# Altium PCB kondratchenko_telemetry_board.PcbDoc (part 2 of 2)
Units mm, origin at the board's own origin, x right, y up, seen from the top; angles counter-clockwise.
Board outline 123 x 137.5 mm, 4 copper layers (Top Layer, Signal Layer 1, Signal Layer 2, Bottom Layer), stack 1.522 mm thick; 68 components, 63 nets, 335 pads, 1579 vias.
Unrouted connection lines stored in the file: 3.
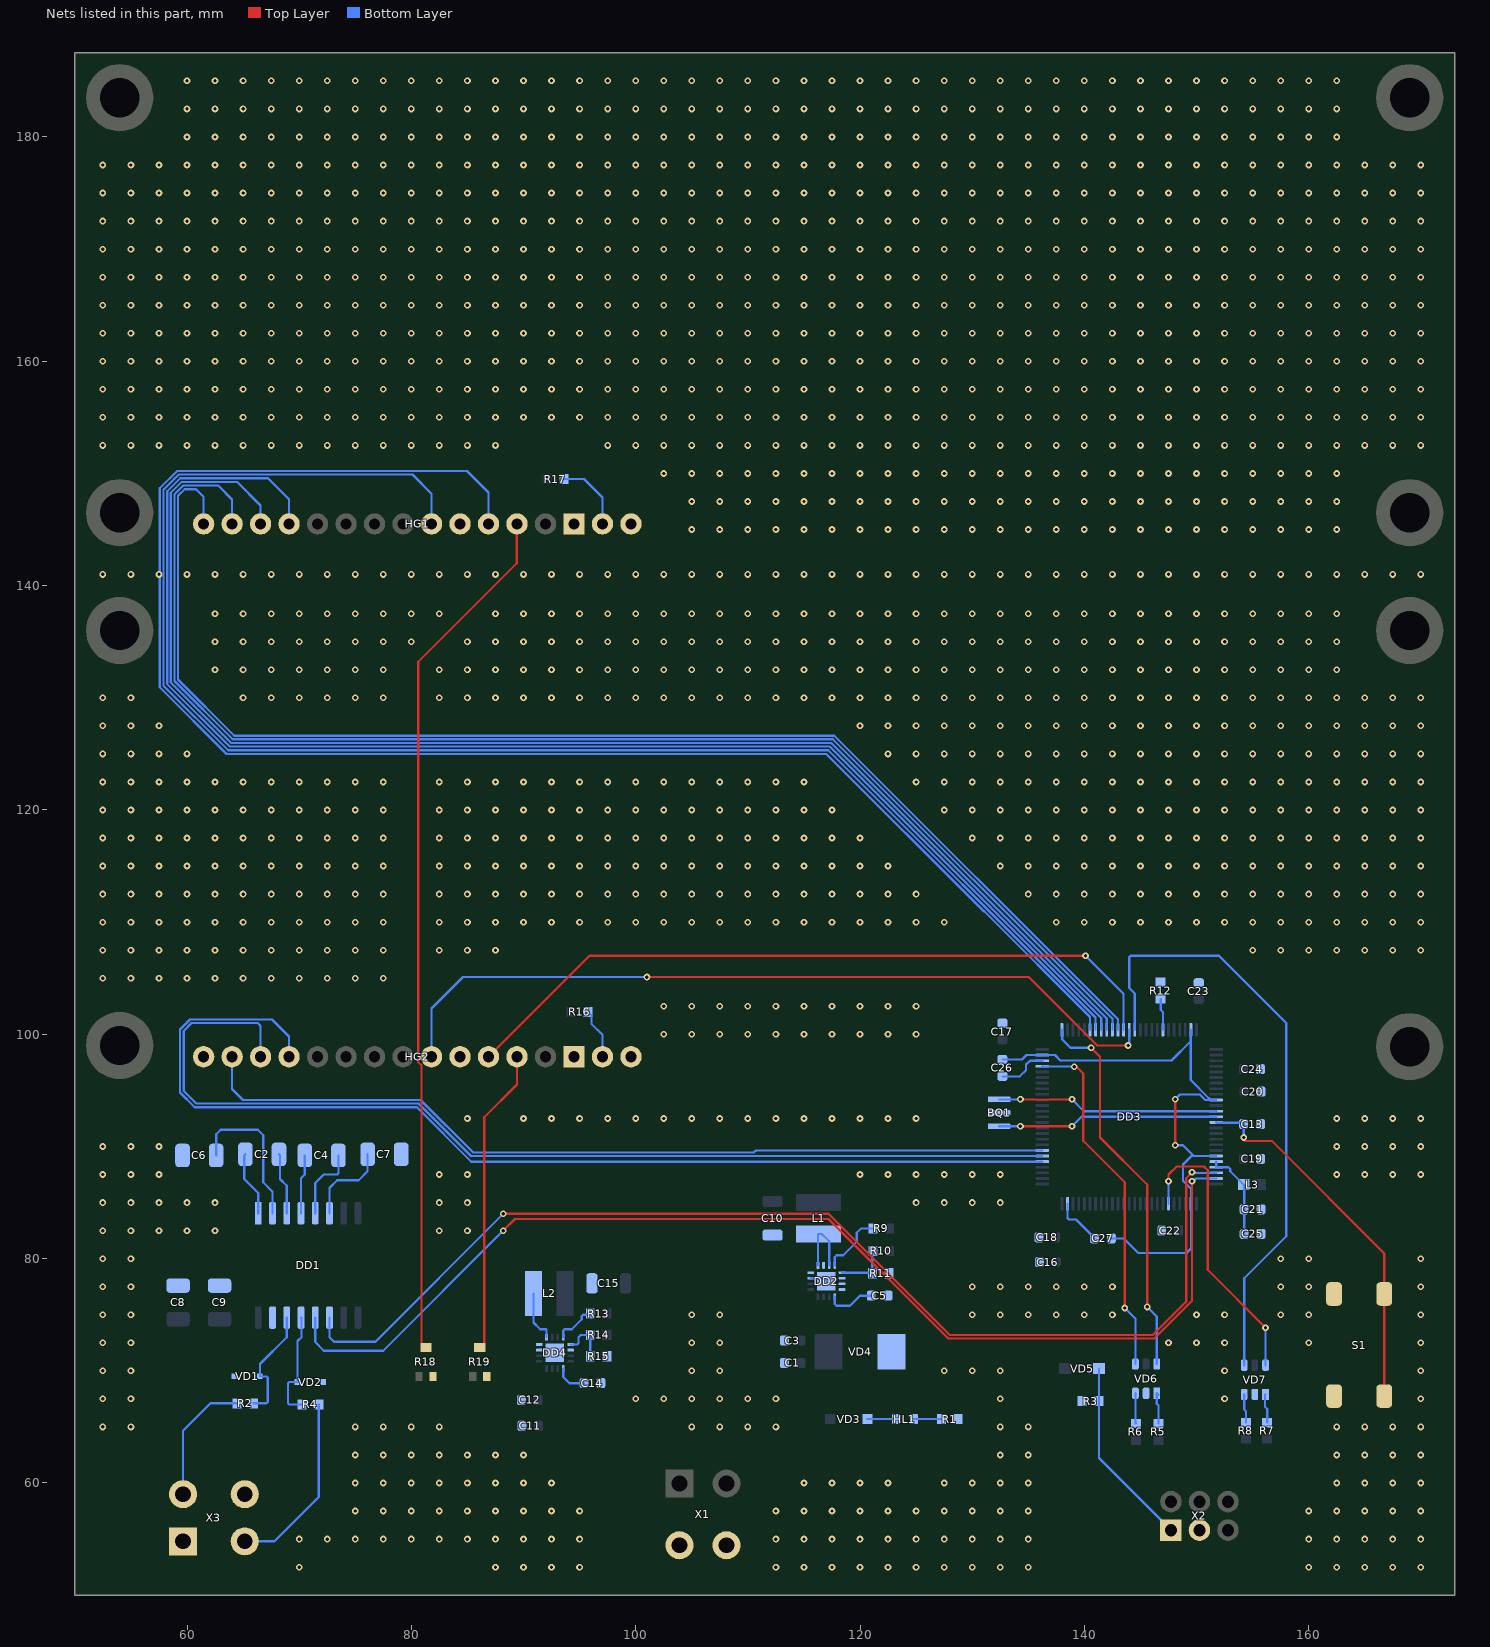
[diagram p4: the nets of this part, all layers, seen from the top]

## Via types
v1: diameter 0.6, hole 0.3, Top Layer to Bottom Layer, tented both sides, 1579 vias

## Nets (pads, with @x,y where several pads share a name; then routed paths per layer and width w, separated by ;. In a path a pad name is that pad's centre, name@x,y a point inside that pad or via, vN(x,y) a via of type N, cw(c..) or ccw(c..) an arc to the next point about the centre after c; other vN are vias at no path point) (continued)
GND: BQ1.2 C1.2 C3.2 C5.2 C6.2 C7.2 C8.2 C9.2 C10.2 C11.2 C12.2 C13.1 C14.2 C15.1 C16.2 C17.2 C18.2 C19.2 C20.2 C21.2 C22.2 C23.2 C24.2 C25.2 DD1.15 DD2.0 DD2.6 DD2.7 DD2.8 DD2.15 DD2.16 DD4.0 DD4.6 DD4.15 DD4.16 HG1.1 HG1.5 HG1.16 HG2.1 HG2.5 HG2.16 R1.1 R3.2 R11.1 R12.1 R15.1 R18.3 R19.3 S1.2 VD1.2 VD2.2 VD4.1 VD6.2 VD7.2 X1.3 X1.4 X2.3 X3.1 X3.4 | length 1.5
  Bottom Layer w0.2: DD2.15@115.6,78.25 116.75,78.25 DD2.0@117,78
  other v1: 70,52.5 87.5,52.5 90,52.5 92.5,52.5 95,52.5 112.5,52.5 115,52.5 117.5,52.5 120,52.5 122.5,52.5 125,52.5 127.5,52.5 130,52.5 132.5,52.5 135,52.5 160,52.5 162.5,52.5 165,52.5 167.5,52.5 170,52.5 70,55 72.5,55 75,55 77.5,55 80,55 82.5,55 85,55 87.5,55 90,55 92.5,55 95,55 112.5,55 115,55 117.5,55 120,55 122.5,55 125,55 127.5,55 130,55 132.5,55 135,55 160,55 162.5,55 165,55 167.5,55 170,55 75,57.5 77.5,57.5 80,57.5 82.5,57.5 85,57.5 87.5,57.5 90,57.5 92.5,57.5 95,57.5 112.5,57.5 115,57.5 117.5,57.5 120,57.5 122.5,57.5 125,57.5 127.5,57.5 130,57.5 132.5,57.5 135,57.5 160,57.5 162.5,57.5 165,57.5 167.5,57.5 170,57.5 75,60 77.5,60 80,60 82.5,60 85,60 87.5,60 90,60 92.5,60 115,60 117.5,60 120,60 122.5,60 127.5,60 130,60 132.5,60 135,60 162.5,60 165,60 167.5,60 170,60 75,62.5 77.5,62.5 80,62.5 82.5,62.5 85,62.5 87.5,62.5 90,62.5 132.5,62.5 135,62.5 162.5,62.5 165,62.5 167.5,62.5 170,62.5 52.5,65 55,65 75,65 77.5,65 80,65 82.5,65 105,65 107.5,65 110,65 112.5,65 132.5,65 135,65 162.5,65 165,65 167.5,65 170,65 52.5,67.5 55,67.5 100,67.5 102.5,67.5 105,67.5 107.5,67.5 110,67.5 112.5,67.5 132.5,67.5 152.5,67.5 170,67.5 52.5,70 55,70 105,70 107.5,70 127.5,70 130,70 132.5,70 152.5,70 170,70 52.5,72.5 55,72.5 105,72.5 107.5,72.5 147.5,72.5 150,72.5 152.5,72.5 160,72.5 170,72.5 52.5,75 55,75 105,75 107.5,75 130,75 132.5,75 135,75 137.5,75 140,75 142.5,75 150,75 152.5,75 157.5,75 160,75 170,75 52.5,77.5 55,77.5 130,77.5 132.5,77.5 135,77.5 137.5,77.5 140,77.5 142.5,77.5 157.5,77.5 160,77.5 170,77.5 52.5,80 55,80 157.5,80 160,80 170,80 52.5,82.5 55,82.5 57.5,82.5 60,82.5 62.5,82.5 82.5,82.5 85,82.5 52.5,85 55,85 57.5,85 60,85 62.5,85 82.5,85 85,85 125,85 127.5,85 130,85 132.5,85 52.5,87.5 55,87.5 57.5,87.5 82.5,87.5 85,87.5 120,87.5 122.5,87.5 125,87.5 127.5,87.5 130,87.5 132.5,87.5 162.5,87.5 165,87.5 167.5,87.5 170,87.5 52.5,90 55,90 57.5,90 162.5,90 165,90 167.5,90 170,90 85,92.5 90,92.5 92.5,92.5 95,92.5 97.5,92.5 100,92.5 102.5,92.5 105,92.5 107.5,92.5 110,92.5 112.5,92.5 115,92.5 117.5,92.5 120,92.5 122.5,92.5 125,92.5 162.5,92.5 165,92.5 167.5,92.5 170,92.5 102.5,100 105,100 107.5,100 110,100 112.5,100 115,100 117.5,100 120,100 122.5,100 125,100 102.5,102.5 105,102.5 107.5,102.5 110,102.5 112.5,102.5 115,102.5 117.5,102.5 120,102.5 122.5,102.5 125,102.5 52.5,105 55,105 57.5,105 60,105 62.5,105 65,105 67.5,105 70,105 72.5,105 75,105 77.5,105 52.5,107.5 55,107.5 57.5,107.5 60,107.5 62.5,107.5 65,107.5 67.5,107.5 70,107.5 72.5,107.5 75,107.5 77.5,107.5 82.5,107.5 85,107.5 87.5,107.5 155,107.5 157.5,107.5 160,107.5 162.5,107.5 165,107.5 167.5,107.5 170,107.5 52.5,110 55,110 57.5,110 60,110 62.5,110 65,110 67.5,110 70,110 72.5,110 75,110 77.5,110 82.5,110 85,110 87.5,110 90,110 92.5,110 95,110 97.5,110 100,110 102.5,110 105,110 107.5,110 110,110 112.5,110 115,110 117.5,110 120,110 122.5,110 125,110 127.5,110 137.5,110 140,110 142.5,110 145,110 147.5,110 150,110 152.5,110 155,110 157.5,110 160,110 162.5,110 165,110 167.5,110 170,110 52.5,112.5 55,112.5 57.5,112.5 60,112.5 62.5,112.5 65,112.5 67.5,112.5 70,112.5 72.5,112.5 75,112.5 77.5,112.5 82.5,112.5 85,112.5 87.5,112.5 90,112.5 92.5,112.5 95,112.5 97.5,112.5 100,112.5 102.5,112.5 105,112.5 107.5,112.5 110,112.5 112.5,112.5 115,112.5 117.5,112.5 120,112.5 122.5,112.5 125,112.5 135,112.5 137.5,112.5 140,112.5 142.5,112.5 145,112.5 147.5,112.5 150,112.5 152.5,112.5 155,112.5 157.5,112.5 160,112.5 162.5,112.5 165,112.5 167.5,112.5 170,112.5 52.5,115 55,115 57.5,115 60,115 62.5,115 65,115 67.5,115 70,115 72.5,115 75,115 77.5,115 82.5,115 85,115 87.5,115 90,115 92.5,115 95,115 97.5,115 100,115 102.5,115 105,115 107.5,115 110,115 112.5,115 115,115 117.5,115 120,115 122.5,115 132.5,115 135,115 137.5,115 140,115 142.5,115 145,115 147.5,115 150,115 152.5,115 155,115 157.5,115 160,115 162.5,115 165,115 167.5,115 170,115 52.5,117.5 55,117.5 57.5,117.5 60,117.5 62.5,117.5 65,117.5 67.5,117.5 70,117.5 72.5,117.5 75,117.5 77.5,117.5 82.5,117.5 85,117.5 87.5,117.5 90,117.5 92.5,117.5 95,117.5 97.5,117.5 100,117.5 102.5,117.5 105,117.5 107.5,117.5 110,117.5 112.5,117.5 115,117.5 117.5,117.5 120,117.5 130,117.5 132.5,117.5 135,117.5 137.5,117.5 140,117.5 142.5,117.5 145,117.5 147.5,117.5 150,117.5 152.5,117.5 155,117.5 157.5,117.5 160,117.5 162.5,117.5 165,117.5 167.5,117.5 170,117.5 52.5,120 55,120 57.5,120 60,120 62.5,120 65,120 67.5,120 70,120 72.5,120 75,120 77.5,120 82.5,120 85,120 87.5,120 90,120 92.5,120 95,120 97.5,120 100,120 102.5,120 105,120 107.5,120 110,120 112.5,120 115,120 117.5,120 127.5,120 130,120 132.5,120 135,120 137.5,120 140,120 142.5,120 145,120 147.5,120 150,120 152.5,120 155,120 157.5,120 160,120 162.5,120 165,120 167.5,120 170,120 52.5,122.5 55,122.5 57.5,122.5 60,122.5 62.5,122.5 65,122.5 67.5,122.5 70,122.5 72.5,122.5 75,122.5 77.5,122.5 82.5,122.5 85,122.5 87.5,122.5 90,122.5 92.5,122.5 95,122.5 97.5,122.5 100,122.5 102.5,122.5 105,122.5 107.5,122.5 110,122.5 112.5,122.5 115,122.5 125,122.5 127.5,122.5 130,122.5 132.5,122.5 135,122.5 137.5,122.5 140,122.5 142.5,122.5 145,122.5 147.5,122.5 150,122.5 152.5,122.5 155,122.5 157.5,122.5 160,122.5 162.5,122.5 165,122.5 167.5,122.5 170,122.5 52.5,125 55,125 57.5,125 60,125 122.5,125 125,125 127.5,125 130,125 132.5,125 135,125 137.5,125 140,125 142.5,125 145,125 147.5,125 150,125 152.5,125 155,125 157.5,125 160,125 162.5,125 165,125 167.5,125 170,125 52.5,127.5 55,127.5 57.5,127.5 120,127.5 122.5,127.5 125,127.5 127.5,127.5 130,127.5 132.5,127.5 135,127.5 137.5,127.5 140,127.5 142.5,127.5 145,127.5 147.5,127.5 150,127.5 152.5,127.5 155,127.5 157.5,127.5 160,127.5 162.5,127.5 165,127.5 167.5,127.5 170,127.5 52.5,130 55,130 65,130 67.5,130 70,130 72.5,130 75,130 77.5,130 82.5,130 85,130 87.5,130 90,130 92.5,130 95,130 97.5,130 100,130 102.5,130 105,130 107.5,130 110,130 112.5,130 115,130 117.5,130 120,130 122.5,130 125,130 127.5,130 130,130 132.5,130 135,130 137.5,130 140,130 142.5,130 145,130 147.5,130 150,130 152.5,130 155,130 157.5,130 160,130 162.5,130 165,130 167.5,130 170,130 62.5,132.5 65,132.5 67.5,132.5 70,132.5 72.5,132.5 75,132.5 77.5,132.5 82.5,132.5 85,132.5 87.5,132.5 90,132.5 92.5,132.5 95,132.5 97.5,132.5 100,132.5 102.5,132.5 105,132.5 107.5,132.5 110,132.5 112.5,132.5 115,132.5 117.5,132.5 120,132.5 122.5,132.5 125,132.5 127.5,132.5 130,132.5 132.5,132.5 135,132.5 137.5,132.5 140,132.5 142.5,132.5 145,132.5 147.5,132.5 150,132.5 152.5,132.5 155,132.5 157.5,132.5 160,132.5 162.5,132.5 62.5,135 65,135 67.5,135 70,135 72.5,135 75,135 77.5,135 80,135 85,135 87.5,135 90,135 92.5,135 95,135 97.5,135 100,135 102.5,135 105,135 107.5,135 110,135 112.5,135 115,135 117.5,135 120,135 122.5,135 125,135 127.5,135 130,135 132.5,135 135,135 137.5,135 140,135 142.5,135 145,135 147.5,135 150,135 152.5,135 155,135 157.5,135 160,135 162.5,135 62.5,137.5 65,137.5 67.5,137.5 70,137.5 72.5,137.5 75,137.5 77.5,137.5 80,137.5 82.5,137.5 87.5,137.5 90,137.5 92.5,137.5 95,137.5 97.5,137.5 100,137.5 102.5,137.5 105,137.5 107.5,137.5 110,137.5 112.5,137.5 115,137.5 117.5,137.5 120,137.5 122.5,137.5 125,137.5 127.5,137.5 130,137.5 132.5,137.5 135,137.5 137.5,137.5 140,137.5 142.5,137.5 145,137.5 147.5,137.5 150,137.5 152.5,137.5 155,137.5 157.5,137.5 160,137.5 162.5,137.5 52.5,141 55,141 57.5,141 60,141 62.5,141 65,141 67.5,141 70,141 72.5,141 75,141 77.5,141 80,141 82.5,141 85,141 87.5,141 90,141 92.5,141 95,141 97.5,141 100,141 102.5,141 105,141 107.5,141 110,141 112.5,141 115,141 117.5,141 120,141 122.5,141 125,141 127.5,141 130,141 132.5,141 135,141 137.5,141 140,141 142.5,141 145,141 147.5,141 150,141 152.5,141 155,141 157.5,141 160,141 162.5,141 165,141 167.5,141 170,141 105,145 107.5,145 110,145 112.5,145 115,145 117.5,145 120,145 122.5,145 125,145 127.5,145 130,145 132.5,145 135,145 137.5,145 140,145 142.5,145 145,145 147.5,145 150,145 152.5,145 155,145 157.5,145 160,145 162.5,145 105,147.5 107.5,147.5 110,147.5 112.5,147.5 115,147.5 117.5,147.5 120,147.5 122.5,147.5 125,147.5 127.5,147.5 130,147.5 132.5,147.5 135,147.5 137.5,147.5 140,147.5 142.5,147.5 145,147.5 147.5,147.5 150,147.5 152.5,147.5 155,147.5 157.5,147.5 160,147.5 162.5,147.5 102.5,150 105,150 107.5,150 110,150 112.5,150 115,150 117.5,150 120,150 122.5,150 125,150 127.5,150 130,150 132.5,150 135,150 137.5,150 140,150 142.5,150 145,150 147.5,150 150,150 152.5,150 155,150 157.5,150 160,150 162.5,150 52.5,152.5 55,152.5 57.5,152.5 60,152.5 62.5,152.5 65,152.5 67.5,152.5 70,152.5 72.5,152.5 75,152.5 77.5,152.5 80,152.5 82.5,152.5 85,152.5 87.5,152.5 97.5,152.5 100,152.5 102.5,152.5 105,152.5 107.5,152.5 110,152.5 112.5,152.5 115,152.5 117.5,152.5 120,152.5 122.5,152.5 125,152.5 127.5,152.5 130,152.5 132.5,152.5 135,152.5 137.5,152.5 140,152.5 142.5,152.5 145,152.5 147.5,152.5 150,152.5 152.5,152.5 155,152.5 157.5,152.5 160,152.5 162.5,152.5 165,152.5 167.5,152.5 170,152.5 52.5,155 55,155 57.5,155 60,155 62.5,155 65,155 67.5,155 70,155 72.5,155 75,155 77.5,155 80,155 82.5,155 85,155 87.5,155 90,155 92.5,155 95,155 97.5,155 100,155 102.5,155 105,155 107.5,155 110,155 112.5,155 115,155 117.5,155 120,155 122.5,155 125,155 127.5,155 130,155 132.5,155 135,155 137.5,155 140,155 142.5,155 145,155 147.5,155 150,155 152.5,155 155,155 157.5,155 160,155 162.5,155 165,155 167.5,155 170,155 52.5,157.5 55,157.5 57.5,157.5 60,157.5 62.5,157.5 65,157.5 67.5,157.5 70,157.5 72.5,157.5 75,157.5 77.5,157.5 80,157.5 82.5,157.5 85,157.5 87.5,157.5 90,157.5 92.5,157.5 95,157.5 97.5,157.5 100,157.5 102.5,157.5 105,157.5 107.5,157.5 110,157.5 112.5,157.5 115,157.5 117.5,157.5 120,157.5 122.5,157.5 125,157.5 127.5,157.5 130,157.5 132.5,157.5 135,157.5 137.5,157.5 140,157.5 142.5,157.5 145,157.5 147.5,157.5 150,157.5 152.5,157.5 155,157.5 157.5,157.5 160,157.5 162.5,157.5 165,157.5 167.5,157.5 170,157.5 52.5,160 55,160 57.5,160 60,160 62.5,160 65,160 67.5,160 70,160 72.5,160 75,160 77.5,160 80,160 82.5,160 85,160 87.5,160 90,160 92.5,160 95,160 97.5,160 100,160 102.5,160 105,160 107.5,160 110,160 112.5,160 115,160 117.5,160 120,160 122.5,160 125,160 127.5,160 130,160 132.5,160 135,160 137.5,160 140,160 142.5,160 145,160 147.5,160 150,160 152.5,160 155,160 157.5,160 160,160 162.5,160 165,160 167.5,160 170,160 52.5,162.5 55,162.5 57.5,162.5 60,162.5 62.5,162.5 65,162.5 67.5,162.5 70,162.5 72.5,162.5 75,162.5 77.5,162.5 80,162.5 82.5,162.5 85,162.5 87.5,162.5 90,162.5 92.5,162.5 95,162.5 97.5,162.5 100,162.5 102.5,162.5 105,162.5 107.5,162.5 110,162.5 112.5,162.5 115,162.5 117.5,162.5 120,162.5 122.5,162.5 125,162.5 127.5,162.5 130,162.5 132.5,162.5 135,162.5 137.5,162.5 140,162.5 142.5,162.5 145,162.5 147.5,162.5 150,162.5 152.5,162.5 155,162.5 157.5,162.5 160,162.5 162.5,162.5 165,162.5 167.5,162.5 170,162.5 52.5,165 55,165 57.5,165 60,165 62.5,165 65,165 67.5,165 70,165 72.5,165 75,165 77.5,165 80,165 82.5,165 85,165 87.5,165 90,165 92.5,165 95,165 97.5,165 100,165 102.5,165 105,165 107.5,165 110,165 112.5,165 115,165 117.5,165 120,165 122.5,165 125,165 127.5,165 130,165 132.5,165 135,165 137.5,165 140,165 142.5,165 145,165 147.5,165 150,165 152.5,165 155,165 157.5,165 160,165 162.5,165 165,165 167.5,165 170,165 52.5,167.5 55,167.5 57.5,167.5 60,167.5 62.5,167.5 65,167.5 67.5,167.5 70,167.5 72.5,167.5 75,167.5 77.5,167.5 80,167.5 82.5,167.5 85,167.5 87.5,167.5 90,167.5 92.5,167.5 95,167.5 97.5,167.5 100,167.5 102.5,167.5 105,167.5 107.5,167.5 110,167.5 112.5,167.5 115,167.5 117.5,167.5 120,167.5 122.5,167.5 125,167.5 127.5,167.5 130,167.5 132.5,167.5 135,167.5 137.5,167.5 140,167.5 142.5,167.5 145,167.5 147.5,167.5 150,167.5 152.5,167.5 155,167.5 157.5,167.5 160,167.5 162.5,167.5 165,167.5 167.5,167.5 170,167.5 52.5,170 55,170 57.5,170 60,170 62.5,170 65,170 67.5,170 70,170 72.5,170 75,170 77.5,170 80,170 82.5,170 85,170 87.5,170 90,170 92.5,170 95,170 97.5,170 100,170 102.5,170 105,170 107.5,170 110,170 112.5,170 115,170 117.5,170 120,170 122.5,170 125,170 127.5,170 130,170 132.5,170 135,170 137.5,170 140,170 142.5,170 145,170 147.5,170 150,170 152.5,170 155,170 157.5,170 160,170 162.5,170 165,170 167.5,170 170,170 52.5,172.5 55,172.5 57.5,172.5 60,172.5 62.5,172.5 65,172.5 67.5,172.5 70,172.5 72.5,172.5 75,172.5 77.5,172.5 80,172.5 82.5,172.5 85,172.5 87.5,172.5 90,172.5 92.5,172.5 95,172.5 97.5,172.5 100,172.5 102.5,172.5 105,172.5 107.5,172.5 110,172.5 112.5,172.5 115,172.5 117.5,172.5 120,172.5 122.5,172.5 125,172.5 127.5,172.5 130,172.5 132.5,172.5 135,172.5 137.5,172.5 140,172.5 142.5,172.5 145,172.5 147.5,172.5 150,172.5 152.5,172.5 155,172.5 157.5,172.5 160,172.5 162.5,172.5 165,172.5 167.5,172.5 170,172.5 52.5,175 55,175 57.5,175 60,175 62.5,175 65,175 67.5,175 70,175 72.5,175 75,175 77.5,175 80,175 82.5,175 85,175 87.5,175 90,175 92.5,175 95,175 97.5,175 100,175 102.5,175 105,175 107.5,175 110,175 112.5,175 115,175 117.5,175 120,175 122.5,175 125,175 127.5,175 130,175 132.5,175 135,175 137.5,175 140,175 142.5,175 145,175 147.5,175 150,175 152.5,175 155,175 157.5,175 160,175 162.5,175 165,175 167.5,175 170,175 52.5,177.5 55,177.5 57.5,177.5 60,177.5 62.5,177.5 65,177.5 67.5,177.5 70,177.5 72.5,177.5 75,177.5 77.5,177.5 80,177.5 82.5,177.5 85,177.5 87.5,177.5 90,177.5 92.5,177.5 95,177.5 97.5,177.5 100,177.5 102.5,177.5 105,177.5 107.5,177.5 110,177.5 112.5,177.5 115,177.5 117.5,177.5 120,177.5 122.5,177.5 125,177.5 127.5,177.5 130,177.5 132.5,177.5 135,177.5 137.5,177.5 140,177.5 142.5,177.5 145,177.5 147.5,177.5 150,177.5 152.5,177.5 155,177.5 157.5,177.5 160,177.5 162.5,177.5 165,177.5 167.5,177.5 170,177.5 60,180 62.5,180 65,180 67.5,180 70,180 72.5,180 75,180 77.5,180 80,180 82.5,180 85,180 87.5,180 90,180 92.5,180 95,180 97.5,180 100,180 102.5,180 105,180 107.5,180 110,180 112.5,180 115,180 117.5,180 120,180 122.5,180 125,180 127.5,180 130,180 132.5,180 135,180 137.5,180 140,180 142.5,180 145,180 147.5,180 150,180 152.5,180 155,180 157.5,180 160,180 162.5,180 60,182.5 62.5,182.5 65,182.5 67.5,182.5 70,182.5 72.5,182.5 75,182.5 77.5,182.5 80,182.5 82.5,182.5 85,182.5 87.5,182.5 90,182.5 92.5,182.5 95,182.5 97.5,182.5 100,182.5 102.5,182.5 105,182.5 107.5,182.5 110,182.5 112.5,182.5 115,182.5 117.5,182.5 120,182.5 122.5,182.5 125,182.5 127.5,182.5 130,182.5 132.5,182.5 135,182.5 137.5,182.5 140,182.5 142.5,182.5 145,182.5 147.5,182.5 150,182.5 152.5,182.5 155,182.5 157.5,182.5 160,182.5 162.5,182.5 60,185 62.5,185 65,185 67.5,185 70,185 72.5,185 75,185 77.5,185 80,185 82.5,185 85,185 87.5,185 90,185 92.5,185 95,185 97.5,185 100,185 102.5,185 105,185 107.5,185 110,185 112.5,185 115,185 117.5,185 120,185 122.5,185 125,185 127.5,185 130,185 132.5,185 135,185 137.5,185 140,185 142.5,185 145,185 147.5,185 150,185 152.5,185 155,185 157.5,185 160,185 162.5,185
MCU_nRST: DD3.31 VD7.6 | length 26.1
  Top Layer w0.2: v1(147.5,86.9) 147.5,87.5 148.225,88.225 150.658,88.225 151,87.883 151,79 v1(156.15,73.85)
  Bottom Layer w0.2: DD3.31@147.5,84.9 v1(147.5,86.9) ; VD7.6@156.15,70.5 v1(156.15,73.85)
MCU_SWCLK: DD3.76 VD6.6 | length 34.4
  Top Layer w0.2: v1(140.6,98.8) 141.4,98 141.4,90.8 145.6,86.6 v1(145.6,75.7)
  Bottom Layer w0.2: DD3.76@138,100.4 138.025,100.375 138.025,99.545 138.77,98.8 v1(140.6,98.8) ; v1(145.6,75.7) 146.45,74.85 VD6.6@146.45,70.6
MCU_SWDIO: DD3.72 VD6.4 | length 31.7
  Top Layer w0.2: v1(139.1,97.1) 139.3,97.1 139.9,96.5 139.9,90.5 143.6,86.8 v1(143.6,75.6)
  Bottom Layer w0.2: DD3.72@136.25,97.15 136.275,97.125 139.075,97.125 v1(139.1,97.1) ; v1(143.6,75.6) 144.55,74.65 VD6.4@144.55,70.6
MCU_SWO: DD3.89 VD7.4 | length 55.3
  Bottom Layer w0.2: DD3.89@144.5,100.4 144.5,103.629 144,104.129 144,106.883 144.117,107 152,107 158,101 158,82 154.25,78.25 VD7.4@154.25,70.5
NetBQ1_1: BQ1.1 DD3.13 | length 19.7
  Top Layer w0.2: v1(134.3,91.8) v1(138.9,91.8)
  Bottom Layer w0.2: BQ1.1@132.4,91.8 v1(134.3,91.8) ; v1(138.9,91.8) 139.75,92.65 DD3.13@151.75,92.65
NetBQ1_3: BQ1.3 DD3.12 | length 19.8
  Top Layer w0.2: v1(134.3,94.2) v1(138.9,94.2)
  Bottom Layer w0.2: BQ1.3@132.4,94.2 v1(134.3,94.2) ; v1(138.9,94.2) 139.95,93.15 DD3.12@151.75,93.15
NetC2_1: C2.1 DD1.1 | length 5.8
  Bottom Layer w0.2: C2.1@65.2,89.3 65.1,89.2 65.1,87.1 66.355,85.845 DD1.1@66.355,84.05
NetC2_2: C2.2 DD1.3 | length 5.5
  Bottom Layer w0.2: C2.2@68.2,89.3 68.3,89.2 68.3,87.1 68.895,86.505 DD1.3@68.895,84.05
NetC4_1: C4.1 DD1.4 | length 5.3
  Bottom Layer w0.2: DD1.4@70.165,84.05 70.165,87.165 70.5,87.5 C4.1@70.5,89.2
NetC4_2: C4.2 DD1.5 | length 6.7
  Bottom Layer w0.2: DD1.5@71.435,84.05 71.435,86.735 72.2,87.5 73.383,87.5 73.5,87.617 C4.2@73.5,89.2
NetC5_1: C5.1 DD2.9 | length 4.3
  Bottom Layer w0.2: DD2.9@117.75,76.6 117.75,75.967 117.917,75.8 119.1,75.8 120,76.7 C5.1@121,76.7
NetC6_1: C6.1 DD1.2 | length 13.8
  Bottom Layer w0.2: C6.1@62.6,89.2 62.6,91.1 63,91.5 66.3,91.5 66.8,91 66.8,86.8 67.625,85.975 DD1.2@67.625,84.05
NetC7_1: C7.1 DD1.6 | length 7.8
  Bottom Layer w0.2: DD1.6@72.705,84.05 72.705,86.305 73.4,87 75.3,87 76.1,87.8 C7.1@76.1,89.3
NetC13_2: C13.2 DD3.14 S1.1 | length 33.4
  Top Layer w0.2: v1(154.2,90.8) 154.2,90.617 154.317,90.5 156.7,90.5 166.74,80.46 S1.1@166.74,76.85 S1.1@166.74,67.75
  Bottom Layer w0.2: DD3.14@151.75,92.15 151.775,92.125 154.075,92.125 C13.2@154.2,92 v1(154.2,90.8)
NetC14_1: C14.1 DD4.9 | length 2.8
  Bottom Layer w0.2: DD4.9@93.55,70.2 93.55,69.45 94.1,68.9 C14.1@95.4,68.9
NetC21_1: C21.1 C25.1 DD3.21 DD3.22 L3.2 | length 8.1
  Bottom Layer w0.2: DD3.21@151.75,88.65 DD3.22@151.75,88.15 152.85,88.15 153,88 153,87.8 154.2,86.6 L3.2@154.22,86.6 154.25,86.57 C21.1@154.25,84.4 C25.1@154.25,82.2
NetC26_1: C26.1 DD3.73 | length 4.4
  Bottom Layer w0.2: C26.1@132.7,96.25 134.25,96.25 134.8,96.8 134.8,97.3 135.15,97.65 DD3.73@136.25,97.65
NetC26_2: C26.2 C27.2 DD3.10 DD3.20 DD3.27 DD3.74 DD3.99 | length 53.9
  Top Layer w0.2: v1(148.1,90.1) v1(148.1,94.2)
  Bottom Layer w0.2: C26.2@132.7,97.75 134.45,97.75 134.85,98.15 DD3.74@136.25,98.15 137.384,98.15 137.859,97.675 147.775,97.675 149.475,99.375 ; C27.2@142.4,81.8 143.5,81.8 144.8,80.5 149.1,80.5 149.5,80.9 DD3.27@149.5,84.9 149.5,86.242 148.8,86.942 148.8,88.4 149.55,89.15 149.75,89.15 ; v1(148.1,90.1) 148.8,90.1 149.75,89.15 ; v1(148.1,94.2) 148.525,94.625 150.291,94.625 150.766,94.15 DD3.10@151.275,94.15 ; DD3.99@149.5,100.4 149.475,100.375 149.475,99.375 ; DD3.20@151.75,89.15 149.75,89.15 ; DD3.10@151.75,94.15 DD3.10@151.275,94.15 ; 149.475,99.375 149.475,95.918 151.093,94.3 151.125,94.3 DD3.10@151.275,94.15
NetC27_1: C27.1 DD3.49 | length 4.5
  Bottom Layer w0.2: DD3.49@138.5,84.9 138.5,83.617 138.617,83.5 139.25,83.5 140.9,81.85 C27.1@140.9,81.8
NetDD2_1: DD2.1 DD2.2 DD2.3 L1.1 | length 6.2
  Bottom Layer w0.2: DD2.1@116.25,79.4 116.25,82.15 L1.1@116.3,82.2 116.6,82.2 117.25,81.55 DD2.3@117.25,79.4
NetDD2_4: DD2.4 R9.1 | length 5.7
  Bottom Layer w0.2: DD2.4@117.75,79.4 117.75,80.133 117.917,80.3 118.5,80.3 119.7,81.5 119.7,82.3 120.1,82.7 R9.1@121.15,82.7
NetDD2_5: DD2.5 R10.1 R11.2 | length 4.7
  Bottom Layer w0.2: DD2.5@118.4,78.75 121.05,78.75 R11.2@121.1,78.7 121.1,80.65 R10.1@121.15,80.7
NetDD3_94: DD3.94 R12.2 | length 2.8
  Bottom Layer w0.2: R12.2@146.8,103.15 146.8,102.2 147,102 DD3.94@147,100.4
NetDD4_1: DD4.1 L2.1 | length 4.7
  Bottom Layer w0.2: L2.1@90.9,76.9 90.9,74.3 91.5,73.7 91.983,73.7 92.05,73.633 DD4.1@92.05,73
NetDD4_4: DD4.4 R13.1 | length 3.8
  Bottom Layer w0.2: DD4.4@93.55,73 93.55,73.6 93.65,73.7 94.3,73.7 95.2,74.6 95.2,74.883 95.317,75 95.85,75 R13.1@95.95,75.1
NetDD4_5: DD4.5 R14.1 R15.2 | length 4.3
  Bottom Layer w0.2: DD4.5@94.2,72.35 94.8,72.35 94.9,72.45 94.9,73 95.1,73.2 R14.1@95.95,73.2 R15.2@95.95,71.3
NetHG1_3: HG1.3 R18.2 | length 77.4
  Top Layer w0.2: R18.2@81.3,72.1 81.2,72.1 80.9,72.4 80.9,97.238 80.625,97.513 80.625,133.225 89.4,142 89.4,145.48 HG1.3@89.42,145.5
NetHG1_15: HG1.15 R17.2 | length 6.5
  Bottom Layer w0.2: R17.2@93.6,149.5 95.4,149.5 97.04,147.86 HG1.15@97.04,145.5
NetHG2_3: HG2.3 R19.2 | length 27.3
  Top Layer w0.2: R19.2@86.1,72.1 86.2,72.1 86.5,72.4 86.5,92.6 89.42,95.52 HG2.3@89.42,98
NetHG2_15: HG2.15 R16.2 | length 4.5
  Bottom Layer w0.2: R16.2@95.75,102 96.05,101.7 96.05,100.95 97.04,99.96 HG2.15@97.04,98
NetHL1_1: HL1.1 VD3.2 | length 2.5
  Bottom Layer w0.2: VD3.2@120.65,65.7 HL1.1@123.2,65.7
NetHL1_2: HL1.2 R1.2 | length 2.5
  Bottom Layer w0.2: HL1.2@124.8,65.7 R1.2@127.25,65.7
NetR2_1: R2.1 X3.2 | length 11.5
  Bottom Layer w0.2: X3.2@59.65,59 59.65,64.65 62.1,67.1 R2.1@64.45,67.1
NetR3_1: R3.1 VD5.1 X2.1 | length 17.1
  Bottom Layer w0.2: VD5.1@141.3,70.2 R3.1@141.3,67.3 141.3,62.22 X2.1@147.72,55.8
NetR4_1: R4.1 X3.3 | length 16.5
  Bottom Layer w0.2: X3.3@65.15,54.8 67.8,54.8 71.75,58.75 R4.1@71.75,67
NetR5_2: R5.2 VD6.1 | length 3
  Bottom Layer w0.2: R5.2@146.6,65.3 146.6,66.925 146.45,67.075 VD6.1@146.45,68 VD6.1@146.6,67.85
NetR6_2: R6.2 VD6.3 | length 2.7
  Bottom Layer w0.2: VD6.3@144.55,68 144.55,65.35 R6.2@144.6,65.3
NetR7_2: R7.2 VD7.1 | length 2.6
  Bottom Layer w0.2: VD7.1@156.15,67.9 156.1,67.85 156.1,66.8 156.3,66.6 R7.2@156.3,65.4
NetR8_1: R8.1 VD7.3 | length 2.6
  Bottom Layer w0.2: VD7.3@154.25,67.9 154.25,66.55 154.4,66.4 R8.1@154.4,65.4
PD0: DD3.81 HG1.4 | length 147.5
  Bottom Layer w0.2: HG1.4@86.88,145.5 86.88,148.3 84.955,150.225 59.127,150.225 57.58,148.678 57.58,130.951 63.531,125 117,125 131,111 131.03,110.97 131.07,110.97 140.5,101.54 DD3.81@140.5,100.4
PD1: DD3.82 HG1.6 | length 141.8
  Bottom Layer w0.2: HG1.6@81.8,145.5 81.8,148.2 80.1,149.9 59.262,149.9 57.905,148.543 57.905,131.086 63.665,125.325 117.175,125.325 141,101.5 DD3.82@141,100.4
PD2: DD3.83 HG1.11 | length 128.2
  Bottom Layer w0.2: HG1.11@69.1,145.5 69.1,147.7 67.225,149.575 59.396,149.575 58.23,148.409 58.23,131.22 63.8,125.65 117.31,125.65 141.5,101.46 DD3.83@141.5,100.4
PD3: DD3.84 HG1.12 | length 124.7
  Bottom Layer w0.2: HG1.12@66.56,145.5 66.56,147.14 64.45,149.25 59.531,149.25 58.555,148.274 58.555,131.355 63.935,125.975 117.444,125.975 142,101.419 DD3.84@142,100.4
PD4: DD3.85 HG1.13 | length 121.9
  Bottom Layer w0.2: HG1.13@64.02,145.5 64.02,147.68 62.775,148.925 59.665,148.925 58.88,148.139 58.88,131.489 64.069,126.3 117.579,126.3 142.5,101.379 DD3.85@142.5,100.4
PD5: DD3.86 HG1.14 | length 118.9
  Bottom Layer w0.2: HG1.14@61.48,145.5 61.48,147.92 60.8,148.6 59.8,148.6 59.205,148.005 59.205,131.624 64.204,126.625 117.713,126.625 143,101.338 DD3.86@143,100.4
PD6: DD3.87 HG2.4 | length 65
  Top Layer w0.2: HG2.4@86.88,98 95.88,107 v1(140.1,107)
  Bottom Layer w0.2: v1(140.1,107) 143.5,103.6 DD3.87@143.5,100.4
PD7: DD3.88 HG2.6 | length 71.5
  Top Layer w0.2: v1(101,105.1) 135.042,105.1 141.142,99 v1(143.9,99)
  Bottom Layer w0.2: HG2.6@81.8,98 81.8,102.3 84.6,105.1 v1(101,105.1) ; v1(143.9,99) 144,99.1 DD3.88@144,100.4
PD8: DD3.55 HG2.11 | length 97.7
  Bottom Layer w0.2: HG2.11@69,97.9 HG2.11@69.1,98 69.1,99.8 67.575,101.325 60.265,101.325 59.375,100.435 59.375,94.815 60.69,93.5 80.5,93.5 85.35,88.65 DD3.55@136.25,88.65
PD9: DD3.56 HG2.12 | length 94.3
  Bottom Layer w0.2: HG2.12@66.56,98 66.56,100.74 66.3,101 60.4,101 59.7,100.3 59.7,94.95 60.825,93.825 80.635,93.825 85.31,89.15 DD3.56@136.25,89.15
PD10: DD3.57 HG2.13 | length 77.5
  Bottom Layer w0.2: HG2.13@64.02,98 64.02,95.13 65,94.15 80.825,94.15 85.5,89.475 110.55,89.475 110.725,89.65 DD3.57@136.25,89.65
PD11: HG2.14
RS232_RXD: DD1.13 R4.2 VD2.1 | length 9.9
  Bottom Layer w0.2: DD1.13@70.165,74.75 70.2,74.715 70.2,73 69.85,72.65 VD2.1@69.85,69 69.117,69 69,68.883 69,67.117 69.117,67 R4.2@70.25,67
RS232_TXD: DD1.14 R2.2 VD1.1 | length 10.5
  Bottom Layer w0.2: R2.2@65.95,67.1 67.083,67.1 67.2,67.217 67.2,69.383 67.083,69.5 VD1.1@66.5,69.5 66.5,70.6 68.895,72.995 DD1.14@68.895,74.75
UART_RX: DD1.12 DD3.24 | length 104.3
  Top Layer w0.2: v1(88.2,82.5) 89.24,83.54 117.2,83.54 127.865,72.875 146.235,72.875 149.6,76.24 v1(149.6,86.9)
  Bottom Layer w0.2: DD1.12@71.435,74.75 71.435,72.565 72.2,71.8 77.5,71.8 v1(88.2,82.5) ; v1(149.6,86.9) 149.708,86.9 149.958,87.15 DD3.24@151.75,87.15
UART_TX: DD1.11 DD3.23 | length 102.7
  Top Layer w0.2: v1(88.2,84) 117.2,84 128,73.2 146.1,73.2 149.075,76.175 149.075,87.175 v1(149.6,87.7)
  Bottom Layer w0.2: DD1.11@72.705,74.75 72.705,72.995 73.1,72.6 76.8,72.6 v1(88.2,84) ; v1(149.6,87.7) 149.675,87.625 151.725,87.625 DD3.23@151.75,87.65
pads on no net: DD1.7 DD1.8 DD1.9 DD1.10 DD3.1 DD3.2 DD3.3 DD3.4 DD3.5 DD3.7 DD3.8 DD3.9 DD3.15 DD3.16 DD3.17 DD3.18 DD3.25 DD3.26 DD3.29 DD3.30 DD3.32 DD3.33 DD3.34 DD3.35 DD3.36 DD3.37 DD3.38 DD3.39 DD3.40 DD3.41 DD3.42 DD3.43 DD3.44 DD3.45 DD3.46 DD3.47 DD3.48 DD3.51 DD3.52 DD3.53 DD3.54 DD3.58 DD3.59 DD3.60 DD3.61 DD3.62 DD3.63 DD3.64 DD3.65 DD3.66 DD3.67 DD3.68 DD3.69 DD3.70 DD3.71 DD3.77 DD3.78 DD3.79 DD3.80 DD3.90 DD3.91 DD3.92 DD3.93 DD3.95 DD3.96 DD3.97 DD3.98 DD4.2 DD4.3 DD4.7 DD4.8 HG1.7 HG1.8 HG1.9 HG1.10 HG2.7 HG2.8 HG2.9 HG2.10

## Polygon pours and split planes (outlines as drawn)
GND on Bottom Layer "Bottom Layer-GND" (solid, pour order 18): 50,187.5 173,187.5 173,50 50,50
+12V on Bottom Layer "Bottom Layer-+12V 2" (solid, pour order 10): 117,73.5 117,77 115.9,77 115.9,77.4 115.2,77.4 114.9,77.1 114.9,74.045 114.355,73.5
+12V on Bottom Layer "Bottom Layer-+12V" (solid, pour order 6): 106.75,61.25 110.75,61.25 112.25,62.75 114.25,64.75 114.25,73.5 118.75,73.5 118.75,67.75 118,67 118,64.5 111.9,58.8 106.75,58.8
+12V on Bottom Layer "Bottom Layer-+12V 1" (solid, pour order 4): 108.965,61.25 99,61.25 95.5,64.75 93.25,64.75 93.25,70.5 91.75,70.5 91.75,71 90.75,71 90.75,64 96,58.75 108.965,58.75
GND on Signal Layer 1 "Signal Layer 1-GND" (solid, pour order 8): 50,187.5 173,187.5 173,50 50,50
+5V on Signal Layer 2 "Signal Layer 2-+5V" (solid, pour order 12): 50,187.5 50,50 105,50 105,187.5
+3.3V on Signal Layer 2 "Signal Layer 2-+3.3V" (solid, pour order 14): 173,50 107.5,50 107.5,187.5 173,187.5
GND on Top Layer "Top Layer-GND" (solid, pour order 16): 50,187.5 50,50 173,50 173,187.5

## Silkscreen, mask and mechanical layers (free items; w line width, h text height)
Top Overlay:
  text "RESET" at 158.825,81.75 h5
  text "Регулировка подсветки дисплея" at 57,77.4 h5
  text ".designation" at 71.75,51.5 h2
  text "RS232" at 55.925,51.35 h5 r90
  text "Отладка" at 140.05,51.35 h5 r90
  text "Питание" at 98.925,50.85 h5 r90
Bottom Overlay:
  text ".pcb_dec_number" at 88,51.5 h2
Board:
  the board outline again, w0.1
Assembly Notes (Mech5):
  text "'.title'" at 50,47.5 h2
  text "'.project'_'.pcb_dec_number'['.Pcb_File_Name_No_Path']" at 50,45 h2